# KiCad board for_real_486_2.kicad_pcb (continued)
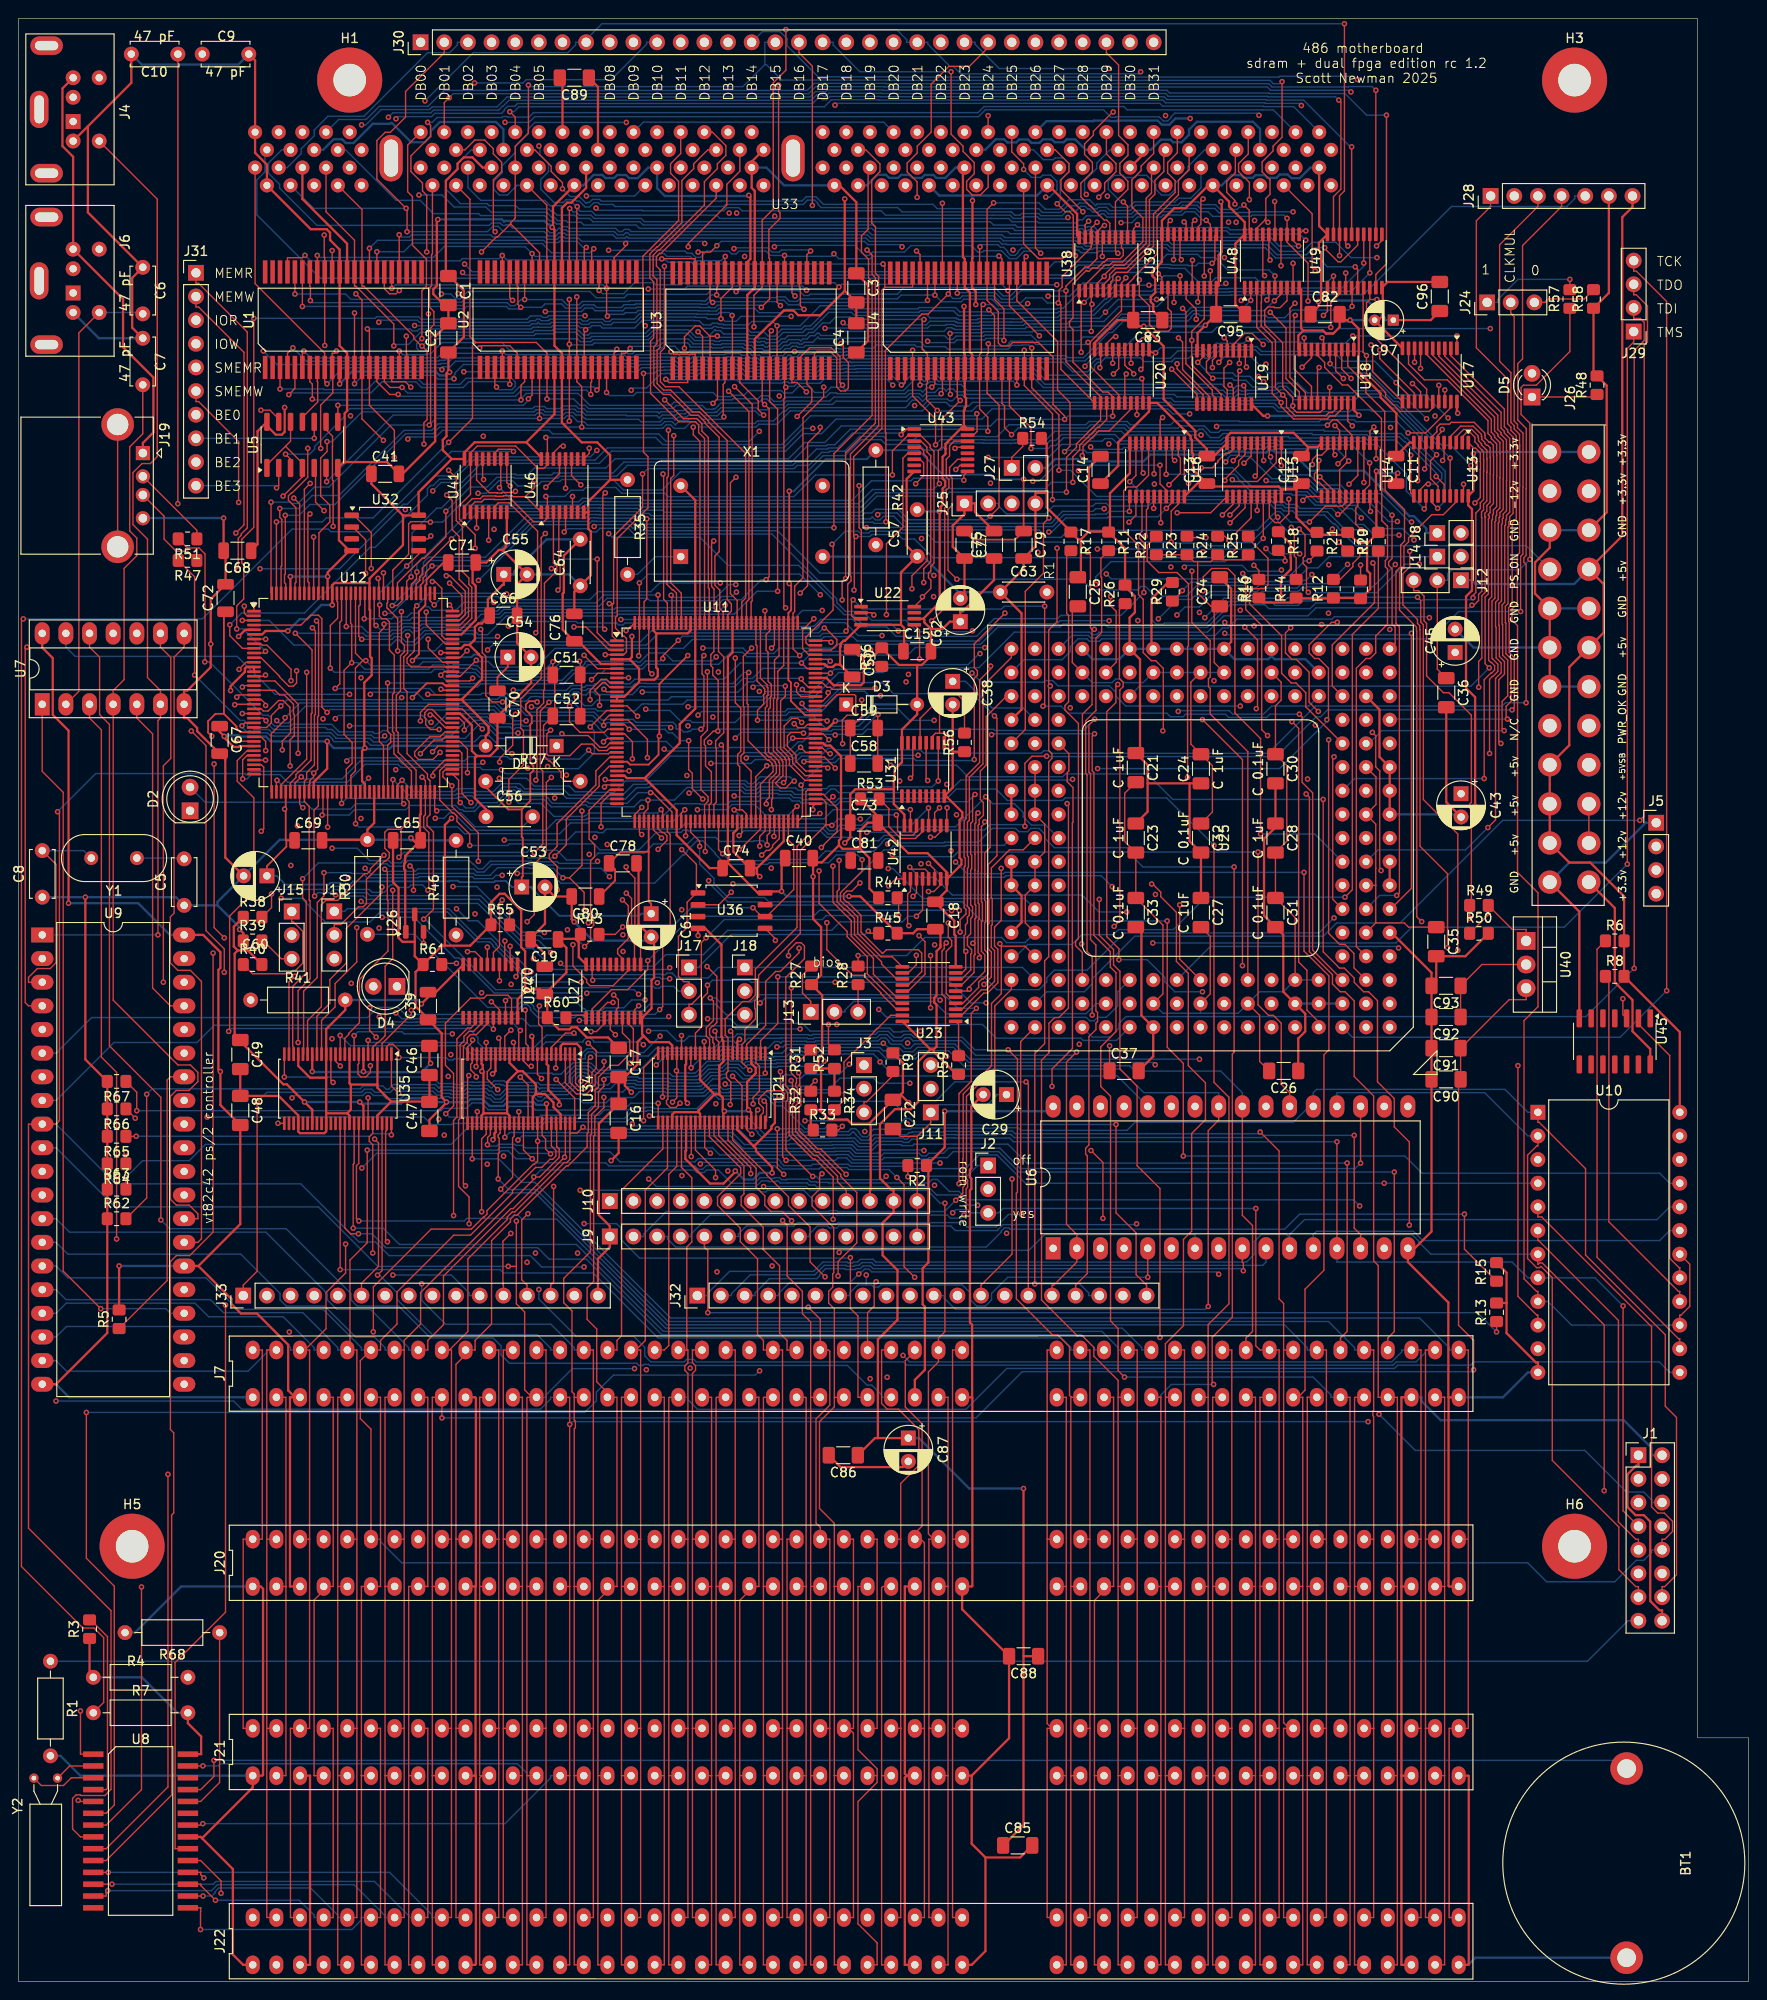
[diagram p0: board, top side]
## Routing (per net, layer and track width the routed paths; a pad name or vN(x,y) marks a point on that pad's centre or on a via; arc(x,y) is an arc through that point) (continued)
BE3: length 121.2
  Top w0.15: U5.2 27.94,160.65 v1(27.71,160.42) ; v1(99.86,113.68) 99.86,112.16 100.22,111.79 100.22,111.21 99.63,110.63 99.63,106.12 100.03,105.72 U23.5
  In1.Cu w0.15: v1(27.71,160.42) 27.71,159.36 30.05,157.02 30.64,157.02 39.56,148.1 39.56,147.54 39.64,147.45 41.01,146.09 43.5,146.09 51.4,138.18 51.4,137.19 53.1,135.5 53.54,135.5 55.72,133.32 55.72,132.84 56.89,131.67 62.32,131.67 62.67,132.01 67.98,132.01 71.58,128.41 79.19,128.41 84.26,123.34 85.99,123.34 86.88,122.45 87.75,122.45 91.31,118.89 94.54,118.89 99.24,114.18 99.86,114.18 ; 99.86,114.18 105.63,114.18 U25.F17 ; 99.86,114.18 v1(99.86,113.68)
  Bottom w0.15: v1(27.71,160.42) 27.48,160.65 J31.10
BLAST: length 74.5
  Top w0.15: U27.3 62.26,104.15 63.25,105.15 v1(63.85,105.15)
  In1.Cu w0.15: v1(98.39,111.34) 96.39,111.34 96.12,111.61 82.83,111.61 82.31,111.1 76.62,111.1 76.61,111.09 76.61,111.09 76.32,110.8 69.93,110.8 66.82,107.69 66.37,107.69 64.5,105.81 64.5,105.69 63.95,105.15 v1(63.85,105.15)
  In2.Cu w0.15: U25.R16 107.9,139.32 107.9,137.82 106.86,136.78 106.39,136.78 105.4,135.78 105.4,135.69 105.19,135.48 105.19,126.83 103.29,124.93 102.78,124.93 99.52,121.67 99.52,121.25 99.71,121.06 99.71,115.92 99.15,115.35 98.84,115.04 98.84,111.78 v1(98.39,111.34)
BOFF: length 77.1
  Top w0.15: R19.1 146.05,147.46 143.26,144.67 143.26,117.25 v1(142.46,116.46)
  Bottom w0.15: U25.D17 107.13,110.11 108.4,111.38 113.15,111.38 114.2,112.43 117.6,112.43 118.14,112.97 124.02,112.97 127.51,116.46 v1(142.46,116.46)
BRDY: length 127.6
  Top w0.15: U11.21 65.08,134 65.93,133.16 v1(65.93,131.31) ; v1(52.87,80.34) 52.02,79.49 52.02,74.83 52.07,74.79 J33.12
  In1.Cu w0.15: 69.48,127.63 69.48,127.76 v1(65.93,131.31) ; 69.48,127.63 72.02,127.63 v1(72.02,127.63) ; 69.48,127.63 64.34,122.5 64.34,121.92 63.29,120.87 63,120.87 62.91,120.96 61.39,120.96 v1(61.3,121.05)
  In2.Cu w0.15: U25.H15 113.21,121.76 v1(113.21,129.11) ; v1(52.87,80.34) 53.4,80.34 55.96,82.89 55.96,89 55.13,89.83 55.13,97.54 55.3,97.71 55.64,98.05 55.64,99.32 57.32,101 57.32,102.82 57.54,103.05 57.54,109.5 57.74,109.69 57.74,113.19 59.61,115.06 59.92,115.06 61.07,116.2 61.07,120.83 v1(61.3,121.05)
  Bottom w0.15: v1(72.02,127.63) 72.2,127.63 72.48,127.92 77.63,127.92 77.96,127.59 79.35,127.59 79.7,127.94 81.68,127.94 81.78,127.84 83.04,127.84 83.39,127.49 86.65,127.49 87.23,128.07 87.71,128.07 88.1,127.68 99.83,127.68 101.19,129.04 113.13,129.04 v1(113.21,129.11)
BREQ: length 73.1
  Top w0.15: v1(67.58,109.64) 67.58,108.69 65.42,106.53 63.68,106.53 61.61,104.45 U27.2
  In2.Cu w0.15: v1(100.21,115.02) 104.54,119.35 104.54,124.75 106.4,126.62 106.85,126.62 107.97,127.74 107.97,128.15 108.97,129.16 109.44,129.16 110.62,130.34 110.62,130.99 110.99,131.36 110.99,131.84 110.62,132.21 110.62,136.95 U25.Q15
  Bottom w0.15: v1(100.21,115.02) 100.18,115.05 86.04,115.05 85.39,114.4 72.35,114.4 v1(67.58,109.64)
BS8: length 196.7
  Top w0.15: v1(100.66,83.9) 101.42,84.67 101.42,85.27 101.58,85.44 101.58,85.91 101.42,86.08 101.42,88.35 101.46,88.38 101.46,95.31 104.5,98.35 104.5,105.04 105.55,106.1 105.55,111.19 ; U25.D16 108.09,111.19 105.55,111.19 ; U11.19 65.07,135 v1(65.59,134.48) ; 105.55,111.19 105.55,111.3 v1(105.4,111.45) ; v1(71.97,133.27) 71.97,130.15 72.36,129.76 72.36,128.12 v1(73.48,127) ; U12.3 v1(24.03,146.18)
  In1.Cu w0.15: v1(65.59,134.48) 65.59,134.72 61.21,139.11 56.65,139.11 53.97,141.79 53.97,142.84 52.35,144.46 v1(51.44,144.46) ; v1(105.4,111.45) 104.72,112.13 100.89,112.13 100.53,112.5 99.2,112.5 95.14,116.56 95.14,116.79 93.69,118.24 91.29,118.24 87.43,122.1 86.73,122.1 85.84,122.99 83.02,122.99 81.87,124.14 76.34,124.14 v1(73.48,127) ; J9.2 64.91,80.01 64.91,79.33 64.46,78.88 60.78,78.88 60.49,79.17 53.35,79.17 48.12,73.94 48.12,73.66 J33.10
  Bottom w0.15: v1(100.66,83.9) 99.45,82.69 87.96,82.69 87.88,82.77 87.11,82.77 87.03,82.69 69.57,82.69 67.17,80.29 67.17,80.01 J9.2 ; v1(71.97,133.27) 71.07,133.27 70.24,134.09 69.8,134.09 69.47,134.43 69.47,134.48 v1(65.59,134.48) ; v1(51.44,144.46) 51.27,144.29 49.18,144.29 48.74,144.74 43.76,144.74 43.42,144.4 42.55,143.53 41.44,143.53 40.88,144.08 40.53,144.08 39.98,143.54 29.56,143.54 26.92,146.18 v1(24.03,146.18)
BS16: length 214.7
  Top w0.15: U11.20 63.26,134.5 62.92,134.17 60.29,134.17 59.17,135.28 v1(59.17,137) ; U12.4 30.32,145.68 31.38,146.75 32.2,146.75 32.57,146.37 32.57,136.86 v1(33.13,136.3) ; v1(101.54,82.3) 101.77,82.54 101.77,85.13 101.94,85.29 101.94,86.06 101.77,86.22 101.77,87.35 101.81,87.39 101.81,95.05 104.85,98.1 104.85,104.76 106.63,106.54 U25.C17
  In1.Cu w0.15: J9.4 69.99,80.01 69.99,79.73 68.68,78.42 60.65,78.42 60.27,78.8 54.78,78.8 53.19,77.21 53.19,76.48 50.66,73.95 50.66,73.66 J33.11
  In2.Cu w0.15: v1(40.19,75.87) 41.78,77.46 41.78,101.12 43.84,103.18 43.84,106.15 44.15,106.47 44.15,107.06 44.46,107.37 44.46,116.08 46.08,117.7 46.08,117.96 48.45,120.33 48.45,120.69 49,121.23 49.11,121.23 50.73,122.85 50.73,123.08 51.73,124.08 51.73,127.05 52.22,127.54 52.22,129.61 52.43,129.82 52.43,131.61 52.41,131.63 52.41,133.66 52.45,133.7 52.45,134.19 53.42,135.16 54.28,135.16 v1(54.51,135.4) 54.51,136.33 v1(55.08,136.9)
  Bottom w0.15: v1(59.17,137) 58.98,136.81 55.18,136.81 v1(55.08,136.9) ; v1(54.51,135.4) 53.22,135.4 52.64,135.98 51.62,135.98 51.04,136.57 44.49,136.57 44.45,136.61 33.44,136.61 v1(33.13,136.3) ; J9.4 72.25,80.01 72.25,80.29 74.26,82.3 87.14,82.3 87.25,82.42 87.73,82.42 87.85,82.3 99.77,82.3 100.1,81.98 101.22,81.98 v1(101.54,82.3) ; v1(40.19,75.87) 46.48,75.87 48.4,73.94 48.4,73.66 J33.11
CACHE: length 47.5
  In1.Cu w0.15: J10.8 82.41,83.82 82.41,84.39 88.73,90.71 91.13,90.71 91.39,90.97 103.97,90.97 113.65,100.66 v1(113.93,100.66)
  In2.Cu w0.15: v1(113.93,100.66) 115.75,102.48 115.75,102.96 116.78,103.99 118.29,103.99 U25.B12
CDONE_PROG: length 52.8
  Top w0.15: U11.65 80.18,123.56 79.6,122.98 v1(79.6,121.94)
  In1.Cu w0.15: v1(79.6,121.94) 79.36,122.17 77.16,122.17 76.82,121.84 76.82,121.48 74.5,119.16 69.67,119.16 65.39,114.88 63.71,114.88 60.12,111.29 60.12,110.44 56.13,106.45 50.29,106.45 49.97,106.77 44.69,106.77 43.6,105.68 39.3,105.68 D4.2
CDONE_PROG2: length 25.5
  Top w0.15: v1(41.37,126.49) 41.19,126.67 U12.65
  Bottom w0.15: v1(41.37,126.49) 36.22,126.49 35.64,125.91 31.51,125.91 30.77,126.65 20.03,126.65 D2.2
CH_RDY: length 109.5
  Top w0.15: U27.7 64.86,101.87 65.65,101.08 65.65,99.62 64.42,98.39 63.55,98.39 62.29,97.12 62.29,96.05 62.08,95.85 61.95,95.85 61.93,95.83 61.93,94.06 61.19,93.31 61.19,91.18 61.06,91.06 61.06,89.64 59.02,87.6 58.84,87.6 53.54,82.3 53.26,82.3 52.83,81.87 52.83,81.59 50.8,79.56 50.8,70.61 49.03,68.84 49.03,67.82 48.52,67.82 ; J20.41 47.07,47.5 ; 47.07,47.5 46.98,47.5 46.98,27.18 ; 47.07,47.5 46.98,47.59 46.98,66.28 48.52,67.82 ; J22.41 46.98,6.86 46.98,27.18 ; 46.98,27.18 J21.41 ; 48.52,67.82 J7.41
CK0: length 107.9
  Top w0.15: v1(48.77,139.98) 48.47,139.68 U12.93 ; v1(66.94,126.1) 66.18,125.34 U11.37
  In1.Cu w0.15: v1(48.77,139.98) 48.77,139.3 53.41,134.66 53.89,134.66 54.23,134.32 54.23,133.79 56.95,131.06 59.97,131.06 60.31,130.72 65.7,130.72 66.94,129.49 v1(66.94,126.1)
  In2.Cu w0.15: v1(66.94,126.1) 67.02,126.18 67.02,127.32 67.1,127.4 67.1,127.79 70.27,130.97 70.27,134.08 70.28,134.09 70.62,134.43 70.62,134.91 70.36,135.17 70.36,141.81 71.54,142.98 71.96,142.98 79.36,150.39 79.36,165.47 81.13,167.24 81.13,171.51 81.48,171.87 81.48,176.03 82.4,176.95 82.4,179.12 82.82,179.53 82.82,184.21 83.98,185.37 83.98,192.44 U33.42
CK2: length 145.3
  Top w0.15: U12.94 47.43,140.18 v1(49.15,141.91) ; U33.79 138.94,189.86 138.94,184.06 v1(139.28,183.73)
  In1.Cu w0.15: v1(147.36,166.91) 143.66,163.21 143.66,162.88 138.57,157.79 138.38,157.79 137.83,157.23 136.46,157.23 135.78,156.55 135.78,154.88 133.86,152.96 133.86,152.43 131.72,150.29 130.24,150.29 128.49,148.55 123.51,148.55 122.71,147.74 122.65,147.74 122.55,147.64 122.07,147.64 122.03,147.68 121.83,147.87 118.86,147.87 v1(117.14,146.15)
  In2.Cu w0.15: v1(147.36,166.91) 147.36,170.39 141.66,176.1 141.66,181.34 v1(139.28,183.73)
  Bottom w0.15: v1(117.14,146.15) 111.87,146.15 111.55,145.83 105.03,145.83 103.17,143.97 90.07,143.97 89.61,144.44 86.52,144.44 86.23,144.14 72.37,144.14 71.41,143.18 57.61,143.18 55.59,141.16 51.04,141.16 50.44,141.77 49.3,141.77 v1(49.15,141.91)
cpu_vcc: length 402.3
  Top w0.15: U25.R8 128.42,141.66 128.42,147.1 C34.1 128.08,147.69 126.65,149.12 126.65,152.5 ; 145.78,113.69 148.85,113.69 149.3,113.24 C35.1 ; 145.78,113.69 U25.E2 ; 145.78,113.69 145.78,117.72 145.77,117.73 ; v1(162.33,152.74) 162.33,167.36 161.38,168.3 161.38,171.2 161.63,171.45 163.02,171.45 166.62,175.06 R57.1 ; 145.77,117.73 145.77,119.55 145.78,119.56 145.78,124.3 U25.K2 145.8,126.41 145.8,129.36 U25.M2 ; 145.77,117.73 U25.G2 ; C36.1 152.38,140.94 J12.2 ; J11.1 97.98,92.22 96.52,90.76 ; 96.52,90.76 94.72,90.76 C22.2 ; 96.52,90.76 J10.14 J9.14 ; C26.2 133.3,98.81 133.3,103.76 U25.B7 ; C32.1 128.23,125.6 128.23,130.58 C24.2 125.91,132.89 125.91,139.55 U25.R9 ; C25.2 113.18,147.1 113.18,141.66 U25.R14 ; R22.1 R23.1 126.23,152.5 126.65,152.5 ; 126.65,152.5 128.06,152.5 R24.1 129.33,152.69 131.54,152.69 R25.1 ; U25.M16 U25.L16 U25.K16 110.22,124.3 110.22,121.31 U25.H16 U25.G16 108.13,116.68 108.13,113.69 U25.E16 ; C37.1 v1(117.18,100.49) ; R28.2 v1(90.17,110.18) ; U25.B9 127.99,106.07 127.99,112.25 C27.2 ; U25.R6 135.61,139.55 135.61,137.62 135,137 C30.1 136.22,130.59 136.22,122.46 C28.2 C31.1 137.11,114.26 U25.C5 ; C21.2 118.81,127.62 118.81,122.43 C23.2 C33.1 122.92,113.45 122.92,106.07 U25.B11
  In1.Cu w0.15: 117.84,103.53 117.84,101.14 v1(117.18,100.49) ; 117.84,103.53 120.38,103.53 U25.B11 ; 117.84,103.53 116.34,103.53 115.34,102.53 115.34,102.1 114.58,101.35 113.76,101.35 107.66,95.25 C29.1 ; U25.R14 112.76,139.09 112.76,137.59 111.94,136.78 110.65,136.78 109.38,135.51 U25.P16 ; U25.C4 139.65,109.11 141.92,111.38 143.46,111.38 U25.E2 ; 141.68,141.1 141.58,141.2 140.66,141.2 140.23,141.63 135.62,141.63 135.49,141.5 135.49,141.5 U25.R6 133.53,139.54 130.54,139.54 U25.R8 ; 141.68,141.1 143.46,142.88 143.46,143.35 145.09,144.99 145.29,144.99 149,148.7 149.48,148.7 150.03,149.25 150.1,149.25 150.22,149.37 150.32,149.37 151.26,150.31 151.26,150.5 J12.2 ; 141.68,141.1 U25.R3
  In2.Cu w0.15: U25.M16 109.17,131.17 110.22,132.21 110.22,134.46 U25.P16
  Bottom w0.15: U25.C4 U25.C5 135.84,106.3 133.3,106.3 U25.B7 130.99,103.99 126.95,103.99 ; C29.1 105.03,95.25 105.03,95.12 104.08,94.16 98.8,94.16 J11.1 ; 126.95,103.99 U25.B9 ; 126.95,103.99 122.91,103.99 U25.B11 ; v1(90.17,110.18) 95.39,110.18 97.33,112.13 105.57,112.13 106.12,111.58 108.11,111.58 109.17,112.65 U25.E16 ; U25.P16 107.9,136.78 104.57,136.78 101.71,139.64 C38.1 ; U25.R8 U25.R9 U25.R10 U25.R11 120.78,139.5 118.69,139.5 118.3,139.88 117.83,139.88 117.44,139.5 115.34,139.5 U25.R14 ; J12.2 153.51,150.5 153.51,151.2 153.93,151.62 161.21,151.62 v1(162.33,152.74)
cpu_vcc_in: length 59.9
  Top w0.15: C92.1 C93.1 157.18,109.22 U40.2 ; v1(155.86,114.18) R49.1 156.04,115.75 156.04,125.81 155.87,125.98 155.87,126.46 156.04,126.63 156.04,136 153.63,138.42 153.05,138.42 151.24,140.23 151.24,145.87 150.96,146.14 150.96,148.79 150.38,149.37 149.84,149.37 J12.3
  In1.Cu w0.15: U40.2 161.93,110.45 159.59,110.45 v1(155.86,114.18)
CRAP_SHIFT: length 50
  Top w0.15: v1(52.81,160.62) 52.44,160.98 U41.9 ; v1(48.59,126.62) 47.62,127.59 47.62,131.93 47.36,132.18 U12.78 ; v1(53.36,136.09) 53.07,135.8 53.07,132.76 51.66,131.36 v1(51.66,130.96) ; v1(49.64,145.22) 49.8,145.06 49.8,142.72 50.18,142.33 50.18,138.1 50.85,137.43 v1(51.98,137.43)
  In1.Cu w0.15: v1(51.98,137.43) 53.32,136.09 v1(53.36,136.09)
  In2.Cu w0.15: v1(48.59,126.62) 48.74,126.77 48.74,129.03 49.72,130.01 50.71,130.01 v1(51.66,130.96) ; v1(52.81,160.62) 52.77,160.58 52.77,155.5 50.44,153.16 50.44,146.03 v1(49.64,145.22)
CRESET: length 94.3
  Top w0.15: U11.66 80.68,123.37 80.4,123.09 v1(80.4,122.06) ; 41.08,123.74 39.65,123.74 39.33,123.43 39.33,121.71 39.82,121.23 39.82,120.72 39.41,120.32 39.3,120.32 37.36,118.38 37.36,115.76 37.02,115.42 36.51,115.42 34.61,113.52 33.91,113.52 J16.2 ; 41.08,123.74 41.08,120.98 v1(40.84,120.74) ; 41.08,123.74 41.94,124.6 41.94,126.73 41.69,126.98 U12.66
  In2.Cu w0.15: v1(80.4,122.06) 80.4,119.95 80.24,119.78 80.24,104.43 78.51,102.7 77.49,102.7 76.85,103.34 76.85,104.36 77.73,105.24 78.01,105.24 J18.2
  Bottom w0.15: v1(80.4,122.06) 79.95,122.51 78.99,122.51 78.92,122.44 75.29,122.44 74.87,122.87 72.54,122.87 71.85,122.17 68.2,122.17 67.21,121.19 62.25,121.19 61.51,120.45 58.87,120.45 57.83,121.49 55.97,121.49 55.63,121.83 55.15,121.83 54.59,121.27 41.37,121.27 v1(40.84,120.74)
D00: length 56.1
  Top w0.15: v1(159.92,135.58) 159.78,135.72 159.78,136.95 160.3,137.48 160.3,142.06 159.76,142.6 159.76,145.88 159.7,145.94 159.7,147.7 159.98,147.98 159.98,156.2 160.08,156.29 160.08,156.79 160.17,156.88 160.17,157.32 160.52,157.67 160.52,160.92 160.54,160.94 160.54,164.7 160.52,164.72 160.52,165.87 159.94,166.45 159.94,166.63 159.59,166.98 159.59,168.88 153.84,174.62 U17.2
  Bottom w0.15: U25.P1 147.35,135.58 v1(159.92,135.58)
D01: length 60.3
  Top w0.15: U17.3 153.19,174.57 159.24,168.53 159.24,166.84 159.59,166.48 159.59,166.3 160.17,165.73 160.17,164.58 160.19,164.56 160.19,161.08 160.17,161.07 160.17,157.82 159.82,157.47 159.82,157.03 159.72,156.94 159.72,156.44 159.63,156.34 159.63,148.13 159.35,147.85 159.35,145.79 159.41,145.74 159.41,142.46 159.95,141.91 159.95,138.08 159.34,137.47 159.34,134.57 v1(159.57,134.34)
  Bottom w0.15: U25.N2 145.04,132.97 146.41,134.34 v1(159.57,134.34)
D02: length 58.3
  Top w0.15: v1(159.22,132.97) 158.99,133.19 158.99,139.81 159.6,140.41 159.6,141.77 159.05,142.31 159.05,145.59 158.99,145.65 158.99,147.99 159.28,148.28 159.28,156.49 159.37,156.58 159.37,157.08 159.47,157.17 159.47,157.61 159.82,157.97 159.82,161.21 159.83,161.23 159.83,164.41 159.82,164.43 159.82,165.58 159.24,166.16 159.24,166.34 158.89,166.69 158.89,168.22 152.55,174.56 U17.4
  In1.Cu w0.15: U25.N1 v1(159.22,132.97)
D03: length 70.4
  Top w0.15: U17.5 151.89,174.66 158.53,168.02 158.53,166.55 158.89,166.19 158.89,166.01 159.46,165.43 159.46,164.29 159.48,164.27 159.48,161.38 159.47,161.36 159.47,158.11 159.11,157.76 159.11,157.32 159.02,157.23 159.02,156.73 158.93,156.64 158.93,148.42 158.64,148.14 158.64,145.5 158.7,145.44 158.7,142.16 159.25,141.62 159.25,140.56 158.64,139.95 158.64,124.75 v1(157.82,123.93)
  Bottom w0.15: v1(157.82,123.93) 155.42,121.54 146,121.54 U25.H2
D04: length 65.1
  Top w0.15: U17.6 151.25,174.73 158.18,167.8 158.18,166.4 158.53,166.05 158.53,165.87 159.11,165.29 159.11,164.14 159.13,164.12 159.13,161.52 159.11,161.5 159.11,158.26 158.76,157.91 158.76,157.47 158.67,157.37 158.67,156.87 158.58,156.78 158.58,148.57 158.26,148.25 158.26,142.11 158.35,142.02 158.35,142.02 158.89,141.47 158.89,140.7 158.35,140.16 158.29,140.16 158,139.87 v1(158,131.89)
  In1.Cu w0.15: v1(158,131.89) 155.49,129.38 143.24,129.38 U25.M3
D05: length 55.8
  Top w0.15: v1(150.59,173.25) 150.59,175.4 150.59,175.41
  In2.Cu w0.15: U25.J2 144.73,123.37 146,124.64 146,128.14 147.12,129.26 147.59,129.26 149.03,130.7 149.03,147.52 148.72,147.83 148.72,151.71 148.81,151.8 148.81,154.99 148.92,155.1 148.92,156.14 148.69,156.36 148.69,157.13 148.92,157.36 148.92,162.45 150.65,164.19 150.65,173.18 v1(150.59,173.25)
D06: length 50
  Top w0.15: U17.8 v1(149.94,173.91)
  In2.Cu w0.15: U25.L2 146.18,129.33 146.18,151.64 146.84,152.3 146.84,157.99 147.49,158.65 147.49,162.81 150.3,165.62 150.3,171.87 149.94,172.22 v1(149.94,173.91)
D07: length 68.5
  Top w0.15: U17.9 149.3,173.72 151,172.02 153.46,172.02 157.83,167.65 157.83,166.25 158.18,165.9 158.18,165.72 158.22,165.69 158.76,165.14 158.76,163.99 158.78,163.98 158.78,161.67 158.76,161.65 158.76,158.4 158.41,158.05 158.41,157.61 158.32,157.52 158.32,157.02 158.22,156.93 158.22,148.71 157.9,148.39 157.9,141.89 158.13,141.66 158.21,141.66 158.54,141.33 158.54,140.85 158.21,140.51 158.12,140.51 157.42,139.81 v1(157.42,129.2)
  Bottom w0.15: U25.L3 143.5,129.2 v1(157.42,129.2)
D08: length 65.7
  Top w0.15: U18.2 142.77,173.52 144.71,171.57 144.71,170.66 146.74,168.63 146.74,163.16 146.72,163.14 146.72,162.65 146.78,162.59 146.78,160.17 148.87,158.08 148.87,154.7 148.45,154.29 148.45,151.95 148.09,151.59 147.95,151.44 147.95,145.86 148.31,145.49 148.31,116.92 v1(148.03,116.64)
  Bottom w0.15: v1(148.03,116.64) 146.19,116.64 U25.F2
D09: length 70.1
  Top w0.15: U18.3 142.12,173.18 v1(143.13,172.17) ; v1(145.41,134.16) 145.77,133.79 145.77,130.45 146.21,130.01 146.21,119.46 v1(146.35,119.31)
  In2.Cu w0.15: v1(145.41,134.16) 145.79,134.53 145.79,151.76 146.02,151.99 146.02,152.09 146.05,152.11 146.05,158.9 146.84,159.7 146.84,163.97 146.82,163.99 146.82,166.63 146.78,166.67 146.78,168.52 v1(143.13,172.17) ; v1(146.35,119.31) 146.46,119.2 147.27,119.2 148.6,117.86 148.6,116.4 148.31,116.11 148.31,112.22 147.27,111.18 U25.D1
D10: length 64.6
  Top w0.15: U18.4 141.47,173 v1(142.3,172.17)
  In2.Cu w0.15: U25.E3 143.62,114.08 143.62,150.69 143.32,150.99 143.32,152.43 143.23,152.53 143.23,153.8 143.29,153.86 143.29,160.38 143.48,160.57 143.48,161.79 143.84,162.14 143.84,167.33 143.39,167.78 143.39,171.08 v1(142.3,172.17)
D11: length 82.8
  Top w0.15: U18.5 140.87,175.22 v1(140.87,173.76)
  In2.Cu w0.15: v1(153.55,167.94) 155.42,166.07 155.42,162.58 157.38,160.62 157.38,147.3 156.78,146.71 156.78,146.21 156.69,146.11 156.69,139.93 152.03,135.27 152.03,117.53 149.42,114.92 149.42,109.71 U25.C1
  Bottom w0.15: v1(153.55,167.94) 151.09,170.39 147.98,170.39 145.05,173.32 141.31,173.32 v1(140.87,173.76)
D12: length 63.2
  Top w0.15: v1(140,176.54) 140.17,176.37 U18.6
  In2.Cu w0.15: U25.G3 143.26,118.8 143.26,150.15 142.17,151.25 142.17,153.73 142.59,154.15 142.59,158.77 142.32,159.04 142.32,161.32 143.45,162.45 143.45,166.01 142.68,166.78 142.68,170.19 140.27,172.6 140.27,176.27 v1(140,176.54)
D13: length 70.9
  Top w0.15: U25.D2 143.69,111.15 143.69,141.05 144.73,142.09 145.16,142.09 145.77,142.7 145.77,144.51 147.04,145.78 147.04,151.72 146.81,151.95 146.81,152.61 147.04,152.84 147.04,156.3 146.42,156.91 146.42,162.45 146.37,162.5 146.37,163.29 146.39,163.31 146.39,167.87 142.78,171.47 142.18,171.47 140.29,173.36 140.29,173.88 139.52,174.65 U18.7
D14: length 60
  Top w0.15: U18.8 138.87,174.39 v1(137.86,173.38) ; v1(131.49,151.22) 131.81,150.9 131.81,147.36 133.53,145.64 133.53,134.44 v1(134.15,133.82)
  In1.Cu w0.15: v1(134.15,133.82) 138.25,129.72 138.69,129.72 142.19,126.22 U25.K3 ; v1(133.16,172.38) 133.26,172.49 136.97,172.49 v1(137.86,173.38)
  In2.Cu w0.15: v1(131.49,151.22) 131.76,151.49 131.76,153.71 132.18,154.12 132.18,159.89 133.4,161.11 133.4,161.92 133.16,162.16 v1(133.16,172.38)
D15: length 74.1
  Top w0.15: v1(138.08,176.52) 138.08,175.41 U18.9 ; v1(139.61,136.4) 138.61,137.4 138.61,140.62 137.24,141.99 136.78,141.99 136.07,142.7 136.07,144.83 v1(136.64,145.4) ; U25.F3 141.15,116.22 141.15,131.39 v1(141.29,131.53)
  In1.Cu w0.15: v1(136.64,145.4) 134.75,147.28 v1(131.22,147.28) ; v1(138.08,176.52) 135.27,173.71 v1(133.98,173.71)
  In2.Cu w0.15: v1(139.61,136.4) 139.87,136.14 139.87,132.95 v1(141.29,131.53) ; v1(133.98,173.71) 133.67,173.71 132.55,172.59 132.55,162.23 131.83,161.5 131.83,154.27 131.41,153.85 131.41,151.96 131.25,151.79 130.91,151.46 130.91,150.67 131.22,150.35 v1(131.22,147.28)
D16: length 60.9
  Top w0.15: U19.2 131.77,173.51 v1(131.89,173.39)
  In2.Cu w0.15: U25.J3 127.99,137.01 127.99,138.88 127.81,139.07 127.81,139.92 127.99,140.11 127.99,148.31 128.46,148.77 128.46,153 128.5,153.03 128.5,154.03 128.71,154.25 128.71,154.43 128.82,154.54 128.82,156.53 128.25,157.1 128.25,157.58 128.11,157.71 128.11,158 128.46,158.35 128.46,163.69 132.17,167.4 132.17,173.11 v1(131.89,173.39)
D17: length 74.7
  Top w0.15: U19.3 v1(131.12,173.78)
  In2.Cu w0.15: U25.D3 127.74,124.56 127.74,135.77 125.87,137.63 125.87,147.03 126.31,147.46 126.31,149.53 127.72,150.94 127.72,153.25 127.8,153.33 127.8,153.8 127.72,153.88 127.72,154.25 128.01,154.54 128.01,154.72 128.12,154.83 128.12,155.31 127.78,155.65 127.72,155.65 127.54,155.83 127.54,157.29 127.41,157.42 127.41,158.3 127.72,158.61 127.72,168.19 129.51,169.98 129.51,172.16 131.12,173.78 v1(131.12,173.78)
D18: length 80
  Top w0.15: U25.C2 143.44,108.86 143.44,110.41 142.46,111.38 141.9,111.38 140.72,112.56 v1(140.72,133.36) ; U19.4 130.47,175.8 131.68,177.01 132.5,177.01 v1(133.69,175.82)
  In2.Cu w0.15: v1(140.72,133.36) 141.11,133.76 141.11,142.38 141.05,142.44 141.05,146.3 141.34,146.59 141.34,152.4 141.23,152.52 141.23,155.28 141.7,155.75 141.7,156.23 141.39,156.54 141.39,157.06 141.13,157.33 141.13,159.01 141.48,159.37 141.48,161.25 142.3,162.07 142.3,167.21 v1(133.69,175.82)
D19: length 107.9
  Top w0.15: v1(129.49,176.54) 129.82,176.21 U19.5
  In2.Cu w0.15: v1(158.08,177.53) 158.08,146.51 157.39,145.82 157.39,141.33 157.39,141.33 157.39,140.85 157.39,140.1 157.78,139.71 157.78,138.05 153.05,133.32 153.05,117.14 150.13,114.21 150.13,107.88 U25.B1
  Bottom w0.15: v1(158.08,177.53) 141.79,177.53 141.33,177.07 140.47,177.07 140.41,177.13 130.08,177.13 v1(129.49,176.54)
D20: length 97.9
  Top w0.15: v1(149.43,153.61) 149.43,151.93 148.68,151.18 148.68,147.86 150.26,146.28 150.26,145.85 150.5,145.61 150.5,145.21 150.53,145.18 150.53,121.92 153.48,118.97 v1(153.48,111.03) ; U19.6 129.17,174.15 v1(128.92,173.9)
  In1.Cu w0.15: v1(153.48,111.03) 153.48,108.7 U25.A1
  In2.Cu w0.15: v1(149.43,153.61) 149.3,153.74 149.3,156.25 149.04,156.51 149.04,156.99 149.3,157.25 149.3,161.55 151.23,163.48 v1(151.23,167.85)
  Bottom w0.15: v1(128.92,173.9) 129.5,174.48 132.4,174.48 134.12,172.76 144.54,172.76 144.68,172.62 145.26,172.62 147.83,170.04 149.04,170.04 v1(151.23,167.85)
D21: length 99.1
  Top w0.15: v1(128.23,173.34) 128.23,174.13 128.52,174.42 U19.7
  In1.Cu w0.15: v1(152.14,168.14) 149.84,170.44 136.56,170.44 136.03,170.97 131.98,170.97 131.83,170.82 129.96,170.82 129.47,171.31 129.47,172.1 v1(128.23,173.34)
  In2.Cu w0.15: U25.B2 146,106.3 146,107.8 147.04,108.84 147.55,108.84 149.07,110.36 149.07,115.32 151.57,117.82 151.57,135.52 156.28,140.24 156.28,146.7 156.68,147.1 156.68,147.79 157.03,148.14 157.03,160.03 155.06,162 155.06,163.16 152.14,166.09 v1(152.14,168.14)
D22: length 102.5
  Top w0.15: U19.8 127.87,174.26 127.59,173.98 127.59,172.87 v1(128.27,172.19)
  In2.Cu w0.15: v1(155.99,162.82) 157.73,161.08 157.73,147.09 157.26,146.62 157.26,146.19 157.04,145.96 157.04,139.96 157.43,139.57 157.43,138.39 152.42,133.38 152.42,117.25 149.77,114.61 149.77,108.58 147.48,106.3 147.03,106.3 146.23,105.5 146.23,103.99 U25.A2
  Bottom w0.15: v1(155.99,162.82) 153.82,165 152.88,165 148.19,169.69 147.69,169.69 146.52,170.86 143.56,170.86 143.32,170.62 138.44,170.62 137.39,171.67 135.26,171.67 134.84,171.25 132.56,171.25 131.83,171.97 130.55,171.97 130.34,172.19 v1(128.27,172.19)
D23: length 83.6
  Top w0.15: U25.A4 139.65,103.05 138.38,104.32 138.38,108.6 137.49,109.49 137.49,134.58 v1(136.77,135.31) ; v1(137.55,156.01) 138.18,155.38 138.18,153.1 137.98,152.9 137.98,152.28 138.33,151.93 138.33,149.41 v1(138.54,149.2) ; U19.9 127.22,174.47 v1(126.65,173.9)
  In2.Cu w0.15: v1(133.73,171.82) 133.57,171.66 133.57,166.04 137.02,162.6 137.02,156.76 137.55,156.22 v1(137.55,156.01) ; v1(138.54,149.2) 136.05,146.72 136.05,136.02 v1(136.77,135.31)
  Bottom w0.15: v1(133.73,171.82) 133.63,171.72 132.93,171.72 132.25,172.4 130.78,172.4 130.41,172.76 127.79,172.76 v1(126.65,173.9)
D24: length 80.8
  Top w0.15: U20.2 120.77,173.37 v1(120.54,173.14)
  In2.Cu w0.15: U25.A6 133.53,103.53 133.53,105.48 134.34,106.3 134.82,106.3 135.65,107.13 135.65,108.65 124.05,120.25 124.05,136.06 123.01,137.11 123.01,148.33 122.75,148.59 122.75,154.83 121.26,156.32 121.26,161.66 121.37,161.77 121.37,172.31 v1(120.54,173.14)
D25: length 80.5
  Top w0.15: v1(121.13,176.55) 120.68,176.55 120.12,175.99 U20.3 ; v1(131.46,109.1) 131.46,131.23 v1(127.16,135.53)
  In1.Cu w0.15: U25.B6 133.2,106.4 133.2,107.9 132,109.1 v1(131.46,109.1)
  In2.Cu w0.15: v1(127.16,135.53) 125.52,137.17 125.52,147.55 125.95,147.98 125.95,150.03 126.62,150.7 126.62,153.35 126.56,153.41 126.56,156.24 126.84,156.52 126.84,157 126.5,157.33 126.5,158.99 125.09,160.4 125.09,170.13 121.13,174.08 v1(121.13,176.55)
D26: length 73.8
  Top w0.15: v1(126.02,151.47) 126.02,145.96 127.99,143.98 127.99,140.11 127.81,139.92 127.81,139.07 127.99,138.88 127.99,136.13 132.03,132.08 U25.C7 ; v1(119.5,173.81) 119.47,173.84 U20.4
  In2.Cu w0.15: v1(119.5,173.81) 120.69,173.81 121.79,172.71 121.79,164.94 124.15,162.58 124.15,160.24 126.02,158.37 v1(126.02,151.47)
D27: length 75
  Top w0.15: v1(119.78,172.66) 119.78,172.74 119.29,173.23 119.17,173.23 118.82,173.59 U20.5
  In2.Cu w0.15: U25.C6 120.81,121.33 120.81,145.45 121.16,145.8 121.16,146.85 120.29,147.72 120.29,161.7 120.22,161.77 120.22,162.25 120.73,162.76 120.73,170.08 119.78,171.03 v1(119.78,172.66)
D28: length 73.2
  Top w0.15: U20.6 118.17,173.23 v1(117.6,172.66)
  In2.Cu w0.15: U25.C8 129.49,111.66 120.43,120.73 120.43,145.57 120.46,145.59 120.79,145.93 120.79,146.71 119.94,147.57 119.94,161.52 119.39,162.07 119.39,170.22 117.6,172.01 v1(117.6,172.66)
